# Altium PCB Terra.PcbDoc (part 4 of 7)
Units mm, origin at the board's own origin, x right, y up, seen from the top; angles counter-clockwise.
Board outline 126 x 65 mm, 6 copper layers (Top Layer, Int1 (Sign), Int2 (GND), Int3(PWR), Int4(Sign), Bottom Layer), stack 2.348 mm thick; 559 components, 490 nets, 2466 pads, 1027 vias.
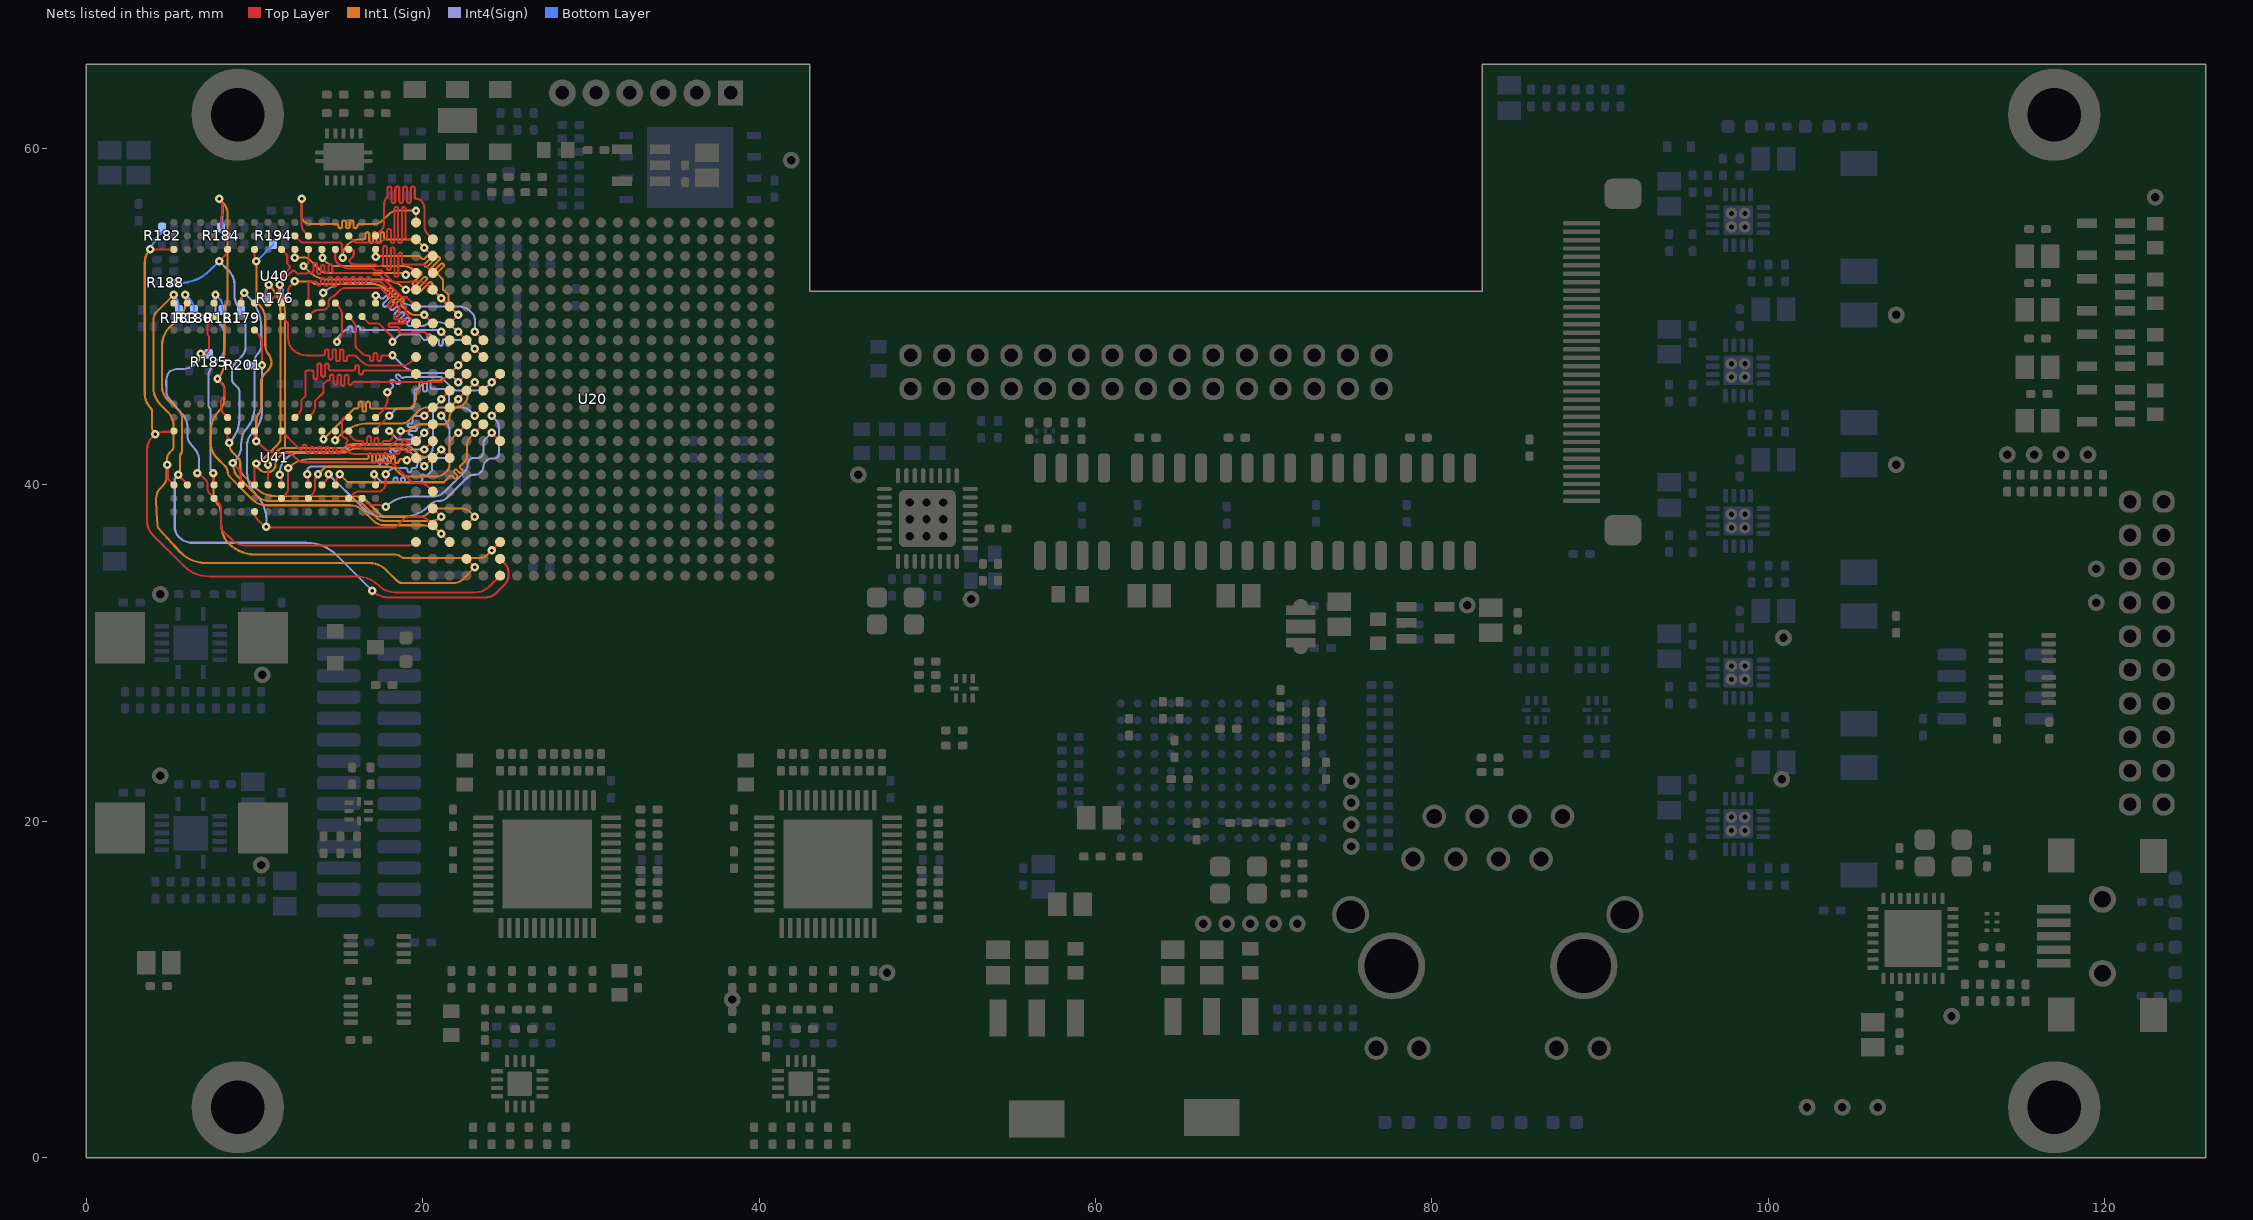
[diagram p8: the nets of this part, all layers, seen from the top]

## Via types
v1: diameter 0.5/0.5/0.5/0.5/0.5/0.5 (per signal layer), hole 0.2, Top Layer to Bottom Layer, tented both sides, 471 vias
v2: diameter 0.8, hole 0.4, Top Layer to Bottom Layer, tented both sides, 402 vias
v3: diameter 0.5/0.5/0.5/0.3/0.5/0.5 (per signal layer), hole 0.2, Top Layer to Bottom Layer, tented both sides, 87 vias
v4: diameter 0.9, hole 0.4, Top Layer to Bottom Layer, 32 vias
v5: diameter 0.6, hole 0.3, Top Layer to Bottom Layer, tented both sides, 26 vias
v6: diameter 0.6/0.6/0.6/0.6/0.6/0.6 (per signal layer), hole 0.3, Top Layer to Bottom Layer, tented both sides, 3 vias
v7: diameter 0.5/0.3/0.5/0.5/0.5/0.5 (per signal layer), hole 0.2, Top Layer to Bottom Layer, tented both sides, 3 vias
v8: diameter 0.8/0.8/0.8/0.5/0.8/0.8 (per signal layer), hole 0.4, Top Layer to Bottom Layer, tented both sides, 2 vias
v9: diameter 0.8/0.8/0.8/0.8/0.8/0.8 (per signal layer), hole 0.4, Top Layer to Bottom Layer, tented both sides, 1 vias

## Nets (pads, with @x,y where several pads share a name; then routed paths per layer and width w, separated by ;. In a path a pad name is that pad's centre, name@x,y a point inside that pad or via, vN(x,y) a via of type N, cw(c..) or ccw(c..) an arc to the next point about the centre after c; other vN are vias at no path point) (continued)
DDR3_A10: R179.1 U20.V2 U40.L7 U41.L7 | length 28.8
  Top Layer w0.125: v1(8.7,41.3) 8.95,41.05 cw(c8.399,40.5) 9.173,40.582 cw(c8.399,40.5) 9.178,40.5 9.178,40.023 U41.L7@9.2,40 ; U40.L7@9.2,50.8 9.2,50.885 cw(c9.87,50.885) 9.396,51.358 v1(9.396,51.409) ; U20.V2@20.6,38.6 v3(21.1,38.1)
  Int1 (Sign) w0.125: v1(8.7,41.3) 8.7,41.274 ccw(c9.474,41.274) 8.772,40.948 ccw(c9.474,41.274) 8.8,40.893 ccw(c9.283,40.9) 8.941,40.559 10.145,39.355 ccw(c10.9,40.111) 10.556,39.099 ccw(c10.9,40.111) 10.9,39.043 15.915,39.043 cw(c15.915,38.215) 16.5,38.8 17.265,38.035 ccw(c17.7,38.471) 17.7,37.855 20.509,37.855 ccw(c20.509,38.691) v3(21.1,38.1)
  Int4(Sign) w0.125: v1(8.7,41.3) 8.846,41.446 ccw(c7.993,42.3) 9.2,42.3 9.2,42.4 cw(c10.89,42.4) 9.403,43.203 ; v1(9.396,51.409) 9.656,51.149 cw(c7.86,49.353) 10.4,49.353 10.4,48.283 cw(c9.717,48.283) 10.2,47.8 ccw(c10.683,47.317) 10,47.317 10,44.649 cw(c7.951,44.649) 9.933,44.129 cw(c7.951,44.649) 9.403,43.203 ; 9.4,43.2 ccw(c7.951,44.649) 9.403,43.203
  Bottom Layer w0.125: R179.1@9.2,50.4 9.2,50.935 cw(c9.87,50.935) 9.234,51.145 cw(c9.87,50.935) v1(9.396,51.409)
DDR3_A11: R180.1 U20.AA6 U40.R7 U41.R7 | length 41
  Top Layer w0.125: v1(5.465,40.59) 5.465,40.585 6,40.05 U41.R7@6,40
  Top Layer w0.13: v1(5.883,51.3) 5.93,51.146 5.93,50.83 U40.R7@5.989,50.771 ; v1(17,33.7) ccw(c17.965,34.665) 17.105,33.605 ccw(c17.965,34.665) 17.965,33.3 23.7,33.3 ccw(c23.7,34.266) 24.383,33.583 24.879,34.079 ccw(c24.359,34.6) 25.095,34.6 25.095,34.8 ccw(c24.359,34.8) 24.879,35.321 U20.AA6@24.6,35.6
  Int1 (Sign) w0.13: 4.799,45.101 cw(c5.523,45.823) 4.5,45.823 4.5,46.1 4.502,48.3 cw(c5.999,48.3) 4.502,48.303 cw(c5.999,48.3) 4.94,49.358 5.541,49.959 ccw(c4.675,50.825) 5.9,50.825 5.9,51.236 v1(5.883,51.3) ; 4.8,45.1 5.5,44.4 ; v1(5.465,40.59) 5.575,40.7 5.575,41.754 ; 5.5,44.4 cw(c5.046,43.946) 5.688,43.946 5.688,42.028 cw(c5.428,42.028) 5.613,41.845 ccw(c5.703,41.754) 5.575,41.755
  Int4(Sign) w0.13: v1(5.465,40.59) 5.255,40.38 5.255,37.492 ccw(c6.092,37.492) 5.259,37.412 ccw(c6.092,37.492) 5.5,36.9 ccw(c6.333,37.733) 6.09,36.58 ccw(c6.333,37.733) 6.333,36.555 13.093,36.555 cw(c13.093,34.015) 14.889,35.811 v1(17,33.7) ; v1(17,33.7) 17,33.5 v1(17,33.7)
  Bottom Layer w0.125: v1(5.883,51.3) 6.165,51.018 cw(c5.596,50.45) 6.4,50.45 R180.1@6.4,50.4
DDR3_A12: R181.1 U20.Y6 U40.N7 U41.N7 | length 34.3
  Top Layer w0.125: v3(24.1,36.1) U20.Y6@24.6,36.6
  Top Layer w0.13: v1(7.555,40.7) 7.578,40.677 7.578,40.023 U41.N7@7.6,40 ; U40.N7@7.6,50.8 7.639,50.839 7.639,51.261 v1(7.678,51.3)
  Int1 (Sign) w0.13: v1(7.555,40.7) 7.555,39.512 ccw(c8.562,39.512) 7.585,39.267 ccw(c8.562,39.512) 7.73,38.945 ccw(c8.562,39.512) 7.842,38.808 ; 7.85,38.8 cw(c8.562,39.512) 7.842,38.808 ; v3(24.1,36.1) 23.835,35.835 cw(c23.4,36.271) 23.4,35.655 18.938,35.655 cw(c18.938,36.136) 18.766,35.687 cw(c18.938,36.136) 18.598,35.796 ccw(c18.305,35.16) 18.305,35.86 10.142,35.86 cw(c10.142,38.4) 10.024,35.863 cw(c10.024,38.065) 8.648,36.346 cw(c10.024,38.065) 8.468,36.507 8.349,36.626 cw(c9.932,37.725) 8.005,37.725 8.005,38.274 ccw(c7.049,38.274) 7.842,38.808
  Int4(Sign) w0.13: 7.385,40.915 7.385,44.42 ccw(c7.095,44.42) 7.3,44.625 cw(c7.409,44.734) 7.255,44.734 7.255,46.4 cw(c8.353,46.4) 7.577,47.177 8,47.6 ccw(c7.517,48.083) 8.2,48.083 8.2,49.017 ccw(c7.517,49.017) 8,49.5 cw(c8.778,50.278) 7.678,50.278 v1(7.678,51.3)
  Bottom Layer w0.13: v1(7.678,51.3) 7.904,51.074 cw(c7.43,50.6) 8.1,50.6 R181.1@8.1,50.4
DDR3_A13: R182.1 U20.AB6 U40.T3 U41.T3 | length 43.7
  Top Layer w0.12: 5.785,35.183 ccw(c7.308,36.708) 7.308,34.553 16.066,34.553 cw(c16.066,32.666) 17.4,34 ccw(c18.342,34.942) 18.342,33.61 23.1,33.61 ccw(c23.1,34.841) 23.971,33.971 U20.AB6@24.6,34.6
  Top Layer w0.13: v1(3.792,54) U40.T3@5.2,54 ; 3.983,36.985 cw(c4.898,37.898) 3.605,37.898 3.605,42.1 cw(c4.583,42.1) 3.891,42.791 v1@4,42.9 ; 3.984,36.984 5.784,35.184 ; v1(4.1,43) v1@4,42.9 ; U41.T3@5.2,43.2 5.155,43.155 4.616,43.155 ccw(c4.616,42.284) v1@4,42.9
  Int1 (Sign) w0.13: v1(3.792,54) ccw(c4.559,53.233) 3.475,53.233 3.475,45.385 ccw(c4.585,45.385) 3.8,44.6 cw(c3.559,44.359) 3.9,44.359 3.9,43.483 ccw(c4.583,43.483) v1(4.1,43)
  Bottom Layer w0.13: v1(3.792,54) 3.792,54.163 4.065,54.436 4.065,54.6 4.465,55 4.5,55
DDR3_A14: R183.1 U20.AA4 U40.T7 U41.T7 | length 39
  Top Layer w0.125: v1(4.8,41.2) 4.842,41.157 4.842,40.358 U41.T7@5.2,40 ; U20.AA4@22.6,35.6 v3(23.1,35.1)
  Top Layer w0.13: U40.T7@5.2,50.8 v1(5.2,51.3)
  Int1 (Sign) w0.125: 5.166,43.712 cw(c5.045,43.681) 5.17,43.681 5.171,43.609 cw(c4.211,43.6) 5.171,43.6 5.171,42.239 cw(c4.918,42.239) 5.097,42.061 4.967,41.932 ccw(c5.373,41.527) 4.8,41.527 v1(4.8,41.2) 4.762,41.162 4.762,40.445 cw(c4.08,40.445) 4.562,39.962 4.4,39.8 ccw(c4.998,39.202) 4.153,39.202 4.153,39.1 ccw(c4.595,39.1) 4.153,39.093 4.164,38.391 ccw(c4.607,38.399) 4.165,38.364 4.224,37.624 ccw(c4.665,37.66) 4.338,37.362 5.597,35.978 ccw(c5.689,36.062) 5.601,35.974 ; 5.166,43.713 5.165,43.716 cw(c5.286,43.749) 5.164,43.721 5.163,43.724 cw(c5.285,43.751) 5.161,43.734 ccw(c4.211,43.6) 4.891,44.277 ccw(c4.211,43.6) 4.889,44.279 4.835,44.334 4.392,44.776 cw(c4.48,44.865) 4.38,44.79 ccw(c4.279,44.716) 4.372,44.799 cw(c5.523,45.823) 4.263,44.937 cw(c5.523,45.823) 3.984,45.771 ccw(c3.859,45.767) 3.983,45.778 cw(c4.24,45.8) 3.983,45.798 3.983,45.801 3.983,49.8 cw(c4.665,49.8) 4.182,50.282 v1(5.2,51.3) ; 5.601,35.973 ccw(c7.1,37.473) 7.1,35.353 16.816,35.353 cw(c16.816,33.917) 17.814,34.949 cw(c16.816,33.917) 17.831,34.932 18.49,34.285 ccw(c18.8,34.6) 18.8,34.157 21.815,34.158 ccw(c21.815,34.985) 22.399,34.399 ; 22.4,34.4 v3(23.1,35.1)
  Bottom Layer w0.125: v1(5.2,51.3) cw(c4.476,50.576) 5.307,51.175 cw(c4.476,50.576) 5.5,50.576 R183.1@5.5,50.4
DDR3_BA0: R184.1 U20.Y3 U40.M2 U41.M2 | length 38.9
  Top Layer w0.12: 7.972,46.108 cw(c7.45,45.585) 8.175,45.724 8.175,45.279 ccw(c8.685,44.771) 8,44.993 8,44.974 8,44.7 ccw(c8.724,44.7) 8.212,44.188 U41.M2@8.4,44 ; 8.08,56.6 8.08,56.093 cw(c7.807,56.093) 8.076,56.044 cw(c7.807,56.093) 8,55.9 8,55.387 ccw(c8.393,55.387) 8.115,55.109 ccw(c8.619,55.413) 8.203,54.997 U40.M2@8.4,54.8
  Top Layer w0.125: v3(21.1,37.1) U20.Y3@21.6,36.6
  Top Layer w0.13: v1(7.9,57) 7.924,56.976 cw(c7.549,56.6) 8.08,56.6
  Int1 (Sign) w0.125: 8.4,40.822 ccw(c8.943,40.825) 8.559,40.441 9.871,39.129 ccw(c10.7,39.957) 10.461,38.81 ccw(c10.7,39.957) 10.7,38.785 15.684,38.785 cw(c15.684,37.684) 16.462,38.463 17.063,37.863 ccw(c17.698,38.498) 17.698,37.6 20,37.6 cw(c20,36.151) v3@21.024,37.176 ; v3@21.024,37.176 v3(21.1,37.1)
  Int1 (Sign) w0.13: v1(7.9,57) 8.1,56.8 cw(c7.376,56.076) 8.4,56.076 8.4,50.941 cw(c8.059,50.941) 8.3,50.7 ccw(c8.541,50.459) 8.2,50.459 8.2,47.266 cw(c6.834,47.266) v1(7.8,46.3) 8.059,46.041 cw(c7.717,45.7) 8.2,45.7 8.2,45.124 cw(c7.176,45.124) 7.9,44.4 ccw(c9.094,43.206) 7.406,43.206 7.406,43.2 7.385,42.684 7.385,42.514 ccw(c8.686,42.514) 7.408,42.273 ccw(c8.686,42.514) 7.766,41.594 8.26,41.1 cw(c7.911,40.751) 8.4,40.822
  Bottom Layer w0.13: v1(7.9,57) cw(c7.417,56.517) 8.039,56.8 cw(c7.417,56.517) 8.1,56.517 8.1,55.1 8,55
DDR3_BA1: R185.1 U20.Y1 U40.N8 U41.N8 | length 28.2
  Top Layer w0.12: v1(6.6,40.7) cw(c6.6,40.482) 6.754,40.636 6.995,40.396 cw(c6.499,39.9) 7.041,40.345 ccw(c7.134,40.421) 7.061,40.326 cw(c6.842,40.042) 7.095,40.296 cw(c6.842,40.042) 7.096,40.295 cw(c6.842,40.042) 7.2,40.043 cw(c6.842,40.042) 7.2,40.042 7.2,39.958 cw(c6.842,39.958) 7.2,39.957 cw(c6.842,39.958) 7.2,39.939 ccw(c7.319,39.933) 7.199,39.928 cw(c6.499,39.9) 7.2,39.9 7.2,39.8 ccw(c7.683,39.8) 7.341,39.459 U41.N8@7.6,39.2 7.859,38.941 cw(c7.517,38.6) 8,38.6 8,37.4 8.717,36.683 ccw(c9.4,37.366) 9.4,36.4 19.117,36.4 ccw(c19.117,37.083) U20.Y1@19.6,36.6 ; v1(6.8,47.8) 6.959,47.8 ccw(c6.959,48.141) 7.2,47.9 ccw(c6.959,48.141) 7.3,48.141 7.3,48.732 ccw(c7.047,48.732) 7.286,48.815 ccw(c7.047,48.732) 7.226,48.911 cw(c7.541,49.041) 7.2,49.041 7.2,49.4 cw(c7.683,49.4) 7.341,49.741 U40.N8@7.6,50
  Int4(Sign) w0.12: v1(6.6,40.7) 6.71,40.81 6.71,41.4 ccw(c5.527,41.4) 6.66,41.74 ccw(c5.527,41.4) 6.364,42.236 6.287,42.313 cw(c6.974,43) 6.003,43 6.003,43.5 ccw(c5.019,43.5) 5.836,44.047 ccw(c5.019,43.5) 5.715,44.195 5.705,44.204 4.862,45.219 cw(c5.2,45.5) 4.76,45.494 4.75,46.195 4.75,46.196 cw(c5.604,46.196) 4.784,46.434 cw(c5.604,46.196) 4.941,46.735 cw(c5.034,46.659) 4.995,46.773 5.343,46.893 cw(c5.383,46.78) 5.383,46.9 5.8,46.9 ccw(c5.8,47.866) 6.483,47.183 6.588,47.288 ccw(c6.076,47.8) v1(6.8,47.8)
  Bottom Layer w0.12: v1(6.8,47.8) R185.1@7.275,47.8
DDR3_BA2: R188.1 U20.W4 U40.M3 U41.M3 | length 34.5
  Top Layer w0.125: U20.W4@22.6,37.6 v3(23.1,38.1)
  Top Layer w0.13: v1@8,53.3 v1(7.9,53.3) 8.258,53.658 ccw(c7.917,54) 8.264,53.664 ccw(c7.917,54) U40.M3@8.4,54 ; v1@8.4,42.5 U41.M3@8.4,43.2
  Int1 (Sign) w0.13: v1(8.5,42.5) 8.5,42.433 ccw(c9.233,42.433) 8.714,41.915 9.075,41.554 cw(c9.02,41.499) 9.098,41.499 cw(c8.7,41.3) 9.145,41.3 9.145,40.974 ccw(c9.674,40.974) 9.153,40.88 ccw(c9.674,40.974) 9.3,40.6 10.112,39.788 ccw(c11.2,40.876) 10.523,39.494 ccw(c11.2,40.876) 11.177,39.337 ccw(c11.2,40.876) 11.2,39.337 16.116,39.3 ; 16.117,39.3 cw(c16.117,38.617) 16.6,39.1 17.4,38.3 ccw(c17.853,38.753) 17.853,38.113 19.847,38.113 ccw(c19.847,38.753) 20.3,38.3 ; 20.3,38.301 cw(c20.989,37.611) 20.989,38.585 22.352,38.585 cw(c22.352,37.952) 22.8,38.4 v3(23.1,38.1)
  Int4(Sign) w0.13: v1(7.9,53.3) 8.455,52.745 cw(c7.61,51.9) 8.805,51.9 8.805,51.269 ccw(c9.95,51.269) 8.905,50.802 ccw(c9.95,51.269) 9.14,50.46 cw(c8.381,49.7) 9.455,49.7 9.455,48.155 cw(c8.731,48.155) 9.243,47.643 8.906,47.306 ccw(c9.512,46.7) 8.655,46.7 8.655,46.275 8.657,46.267 cw(c8.53,46.24) 8.659,46.257 ccw(c9.1,46.314) 8.784,46 ccw(c9.1,46.314) 8.786,45.998 ccw(c9.1,46.314) 8.831,45.959 cw(c8.753,45.855) 8.867,45.917 9.005,45.78 ; v1(8.5,42.5) ccw(c7.052,43.948) 9.1,43.948 9.1,45.55 ccw(c8.775,45.55) 9.005,45.779
  Bottom Layer w0.13: R188.1@5.2,52 5.548,52 ccw(c5.548,54.54) 7.344,52.744 v1(7.9,53.3)
DDR3_CAS: R194.1 U20.U2 U40.K3 U41.K3 | length 25.6
  Top Layer w0.13: v1@10,42.7 10,43 9.9,43.1 U41.K3@10,43.2 ; v1@10,53.2 U40.K3@10,54 ; v1(10.1,42.6) 10.141,42.6 10.52,42.22 ccw(c11.282,42.982) 11.282,41.905 11.79,41.905 cw(c11.79,41.09) 12.366,41.667 ; 12.366,41.666 12.475,41.558 ccw(c13,42.083) 13,41.34 15.425,41.34 15.437,41.327 17.9,41.327 cw(c17.9,40.677) 18.36,41.137 ; 18.36,41.137 19.199,40.299 cw(c19.13,40.188) 19.228,40.274 ccw(c19.6,40.6) 19.598,40.105 19.805,40.105 cw(c19.805,39.405) 20.3,39.9 U20.U2@20.6,39.6
  Int1 (Sign) w0.13: v1(10.1,42.6) 10.1,43.788 cw(c10.854,43.788) 10.22,44.196 ; v1(10.1,53.3) 10.11,53.29 10.11,51.017 ccw(c10.417,51.017) 10.2,50.8 10.244,50.756 cw(c9.288,49.8) 10.64,49.8 10.64,48.284 ccw(c11.478,48.284) 10.734,47.898 ccw(c11.478,48.284) 10.779,47.821 ccw(c11.478,48.284) 10.886,47.691 cw(c10.276,47.3) 10.957,47.545 cw(c10.276,47.3) 11,47.3 cw(c10.276,47.3) 10.788,46.788 10.6,46.6 ccw(c11.095,46.105) 10.395,46.105 10.395,44.646 cw(c9.729,44.646) 10.293,44.291 cw(c9.729,44.646) 10.22,44.196 ; 10.2,44.175 ccw(c9.729,44.646) 10.22,44.196
  Bottom Layer w0.13: v1(10.1,53.3) 10.125,53.3 11.1,54.275 R194.1@11.1,54.3
DDR3_CKE0: R201.1 U20.W2 U40.K9 U41.K9 | length 24.6
  Top Layer w0.125: U41.K9@10,38.4 ccw(c10.724,38.4) 10.212,37.888 10.6,37.5 v1(10.7,37.5) 10.742,37.457 18.357,37.457 18.8,37.9 cw(c19.265,37.435) 19.265,38.092 19.835,38.092 cw(c19.835,37.435) 20.3,37.9 U20.W2@20.6,37.6 ; U40.K9@10,49.2 10.123,49.077 cw(c9.347,48.3) 10.445,48.3 v1(10.445,47.1)
  Int4(Sign) w0.125: v1(10.445,47.1) 10.445,44.428 cw(c8.572,44.428) 9.896,43.103 cw(c8.628,44.193) 9.81,43.01 ccw(c10.421,42.4) 9.557,42.4 9.557,40.71 ccw(c11.41,40.71) 10.1,39.4 cw(c8.652,37.952) 10.634,38.466 cw(c8.652,37.952) 10.7,37.952 v1(10.7,37.5)
  Bottom Layer w0.125: R201.1@9.8,47.1 v1(10.445,47.1)
DDR3_CLK0_N: R176.2 U20.R2 U40.K7 U41.K7 | length 26.9
  Top Layer w0.125: v1(20.1,41.1) U20.R2@20.6,41.6
  Top Layer w0.13: U41.K7@10,40 v1@10,41.094 ; U40.K7@10,50.8 10.633,51.433 ccw(c10.206,51.86) 10.81,51.86 v1(10.85,51.9)
  Int1 (Sign) w0.13: v1(10.105,41.27) ccw(c10.527,41.27) 10.229,40.971 10.265,40.935 ccw(c10.7,41.37) 10.558,40.772 ccw(c10.7,41.37) 10.7,40.755 10.8,40.755 ccw(c10.8,41.2) 11.114,40.885 ccw(c10.8,41.2) 11.116,40.886 ccw(c10.8,41.2) 11.243,41.24 cw(c11.734,41.24) 11.244,41.271 cw(c11.734,41.24) 11.387,41.587 11.675,41.875 cw(c11.838,41.712) 11.838,41.942 15.401,41.942 ccw(c15.401,42.27) 15.498,41.957 ccw(c15.401,42.27) 15.563,41.985 ccw(c15.401,42.27) 15.633,42.038 cw(c16.026,41.449) 15.746,42.1 cw(c16.026,41.449) 16.026,42.158 18.725,42.158 cw(c18.725,41.391) 19.093,42.063 cw(c18.725,41.391) 19.267,41.933 19.649,41.551 ; v1@10.2,41.229 11.363,42.392 ccw(c10.73,43.025) 11.531,42.626 ccw(c11.415,42.684) 11.545,42.684 ccw(c11.415,42.684) 11.545,42.685 11.545,50.222 ccw(c9.172,50.222) v1(10.85,51.9) ; 19.65,41.55 20.037,41.162 v1(20.1,41.1)
  Bottom Layer w0.13: R176.2@10.7,51.1 10.7,51.65 10.85,51.8 v1(10.85,51.9)
DDR3_CLK0_P: R176.1 U20.R3 U40.J7 U41.J7 | length 25.2
  Top Layer w0.125: U40.J7@10.8,50.8 11.217,51.217 ccw(c10.534,51.9) 11.49,51.765 11.5,51.774 v1(11.5,51.9) ; v1(21.1,42.1) U20.R3@21.6,41.6
  Top Layer w0.13: U41.J7@10.8,40 v1(10.8,41.2)
  Int1 (Sign) w0.125: v1(10.8,41.2) 10.8,41.394 cw(c11.056,41.394) 10.804,41.436 cw(c10.927,41.415) 10.838,41.504 11.346,42.011 cw(c11.802,41.554) 11.563,42.154 cw(c11.802,41.554) 11.802,42.2 ; v1(11.5,51.9) 11.5,51.573 ccw(c12.098,51.573) 11.524,51.404 ccw(c11.644,51.439) 11.532,51.384 cw(c9.172,50.222) 11.587,51.265 ; 11.587,51.264 cw(c9.172,50.222) 11.802,50.222 11.802,42.2 ; v1(21.1,42.1) 20.84,41.84 cw(c20.4,42.279) 20.635,41.704 cw(c20.4,42.279) 20.4,41.657 20.125,41.657 cw(c20.125,42.34) 20.114,41.658 ccw(c20.111,41.533) 20.109,41.658 cw(c20.1,42.1) 20.1,41.657 cw(c20.1,42.1) 20,41.669 ccw(c19.972,41.547) 19.995,41.67 cw(c20.125,42.34) 19.872,41.706 cw(c19.919,41.822) 19.865,41.709 cw(c19.919,41.822) 19.831,41.734 19.449,42.115 ccw(c18.725,41.391) 18.725,42.415 15.823,42.415 ccw(c15.823,41.852) 15.425,42.25 cw(c15.304,42.371) 15.304,42.2 11.802,42.2
  Bottom Layer w0.125: v1(11.5,51.9) 11.5,51.798 11.7,51.598 R176.1@11.7,51.1
DDR3_D0: U20.F3 U40.E3 | length 13.2
  Top Layer w0.125: U40.E3@14,54 14.021,53.979 14.021,53.521 v1(14.043,53.5)
  Top Layer w0.2: v1(21.1,51.1) U20.F3@21.6,50.6
  Int1 (Sign) w0.125: v1(14.043,53.5) 14.043,53.458 14.2,53.3 ccw(c14.924,54.024) 14.924,53 15,53 18.7,53 18.917,53 cw(c18.917,52.317) 19.4,52.8 ; 19.3,52.9 19.326,52.874 19.37,52.83 19.556,52.644 ccw(c19.645,52.732) 19.733,52.644 19.74,52.65 cw(c19.819,52.571) 19.899,52.65 cw(c19.819,52.571) 19.899,52.491 19.436,52.029 ccw(c19.516,51.949) 19.436,51.87 ccw(c19.516,51.949) 19.595,51.87 20.058,52.332 cw(c20.137,52.253) 20.217,52.332 cw(c20.137,52.253) 20.217,52.173 19.755,51.711 ccw(c19.834,51.631) 19.755,51.552 ccw(c19.834,51.631) 19.914,51.552 20.376,52.014 cw(c20.456,51.935) 20.535,52.014 cw(c20.456,51.935) 20.535,51.855 20.333,51.652 ccw(c20.412,51.573) 20.333,51.493 ccw(c20.412,51.573) 20.492,51.493 20.511,51.512 cw(c20.599,51.424) 20.688,51.512 21.006,51.194 21.05,51.15 v1(21.1,51.1)
DDR3_D1: U20.G1 U40.F7 | length 13.6
  Top Layer w0.125: U40.F7@13.2,50.8 13.2,52.027 13.273,52.1 13.302,52.1 13.59,52.1 cw(c13.59,51.975) 13.715,51.975 13.715,51.966 ccw(c13.827,51.966) 13.827,51.854 ccw(c13.827,51.966) 13.94,51.966 13.94,52.183 cw(c14.052,52.183) 14.052,52.296 cw(c14.052,52.183) 14.165,52.183 14.165,51.966 ccw(c14.277,51.966) 14.277,51.854 ccw(c14.277,51.966) 14.39,51.966 14.39,52.245 cw(c14.502,52.245) 14.502,52.357 cw(c14.502,52.245) 14.615,52.245 14.615,51.889 ccw(c14.727,51.889) 14.727,51.776 ccw(c14.727,51.889) 14.84,51.889 14.84,52.232 cw(c14.952,52.232) 14.952,52.345 cw(c14.952,52.232) 15.065,52.232 15.065,52.067 ccw(c15.177,52.067) 15.177,51.955 ccw(c15.177,52.067) 15.29,52.067 15.29,52.232 cw(c15.402,52.232) 15.402,52.345 cw(c15.402,52.232) 15.515,52.232 15.515,52.068 ccw(c15.627,52.068) 15.627,51.955 ccw(c15.627,52.068) 15.74,52.068 15.74,52.232 cw(c15.852,52.232) 15.852,52.345 cw(c15.852,52.232) 15.965,52.232 15.965,52.068 ccw(c16.077,52.068) 16.077,51.955 ccw(c16.077,52.068) 16.19,52.068 16.19,52.232 cw(c16.302,52.232) 16.302,52.345 cw(c16.302,52.232) 16.415,52.232 16.415,52.068 ccw(c16.527,52.068) 16.527,51.955 ccw(c16.527,52.068) 16.64,52.068 16.64,52.229 cw(c16.752,52.229) 16.752,52.342 cw(c16.752,52.229) 16.865,52.229 16.865,52.225 ccw(c16.99,52.225) 16.99,52.1 17.41,52.1 17.461,52.1 18.992,50.569 18.992,50.208 U20.G1@19.6,49.6
DDR3_D2: U20.A1 U40.F2 | length 13.1
  Top Layer w0.12: v1(12.8,57) 12.8,55.79 12.8,55.5 ccw(c13.524,55.5) 13.007,54.993 ccw(c13.524,55.5) 13.012,54.988 U40.F2@13.2,54.8
  Top Layer w0.125: U20.A1@19.6,55.6 v1(19.6,56.3)
  Int1 (Sign) w0.125: v1(12.8,57) 12.798,56.998 12.798,55.947 ccw(c13.147,55.947) 12.9,55.7 ccw(c13.383,56.183) 13.383,55.5 14.503,55.5 14.858,55.5 cw(c14.858,55.375) 14.983,55.375 14.983,55.37 ccw(c15.096,55.37) 15.096,55.258 ccw(c15.096,55.37) 15.208,55.37 15.208,55.611 cw(c15.321,55.611) 15.321,55.724 cw(c15.321,55.611) 15.433,55.611 15.433,55.37 ccw(c15.546,55.37) 15.546,55.258 ccw(c15.546,55.37) 15.658,55.37 15.658,55.611 cw(c15.771,55.611) 15.771,55.724 cw(c15.771,55.611) 15.883,55.611 15.883,55.37 ccw(c15.996,55.37) 15.996,55.258 ccw(c15.996,55.37) 16.108,55.37 16.108,55.375 cw(c16.233,55.375) 16.233,55.5 16.296,55.5 17,55.5 ccw(c17,56.466) 17.682,55.782 ; 17.683,55.783 18,56.1 ; 18,56.1 cw(c18.483,55.617) 18.483,56.3 v1(19.6,56.3)
DDR3_D3: U20.H2 U40.F8 | length 13.6
  Top Layer w0.12: 13.8,50.4 13.954,50.4 ccw(c13.958,50.758) 13.958,50.4 14.042,50.4 ccw(c14.042,50.758) 14.295,50.504 ; 14.295,50.505 14.4,50.61 14.4,50.698 14.4,50.9
  Top Layer w0.125: U40.F8@13.2,50 13.459,50.259 cw(c13.8,49.917) 13.8,50.4 ; 14.4,50.9 ccw(c14.284,50.946) 14.406,50.919 cw(c14.758,50.842) 14.484,51.076 ccw(c14.389,51.158) 14.5,51.1 ccw(c14.442,51.211) 14.524,51.116 cw(c14.758,50.842) 14.667,51.191 ccw(c14.635,51.312) 14.723,51.223 14.9,51.4 15.059,51.559 cw(c15.4,51.217) 15.4,51.7 17.5,51.7 17.6,51.6 17.644,51.556 18.122,51.078 cw(c18.033,50.99) 18.122,50.902 17.952,50.733 ccw(c18.032,50.653) 17.952,50.573 ccw(c18.032,50.653) 18.111,50.573 18.281,50.743 cw(c18.369,50.654) 18.457,50.743 18.6,50.6 18.6,50.5 18.6,50.4 18.6,50.182 cw(c18.475,50.182) 18.475,50.057 18.402,50.057 ccw(c18.402,49.945) 18.29,49.945 ccw(c18.402,49.945) 18.402,49.832 18.895,49.832 cw(c18.895,49.72) 19.007,49.72 cw(c18.895,49.72) 18.895,49.607 18.078,49.607 ccw(c18.078,49.495) 17.965,49.495 ccw(c18.078,49.495) 18.078,49.382 18.475,49.382 cw(c18.475,49.257) 18.6,49.257 18.6,49.2 18.6,49.195 18.6,49.071 18.673,48.998 19.301,48.998 19.396,49.092 20.108,49.092 U20.H2@20.6,48.6
DDR3_D4: U20.F1 U40.H3 | length 13.7
  Top Layer w0.125: U40.H3@11.6,54 11.884,53.716 cw(c11.743,53.575) 11.943,53.575 ; 11.943,53.657 11.943,53.158 12.067,53.033 cw(c11.979,52.945) 12.067,52.856 11.729,52.518 ccw(c11.808,52.438) 11.729,52.359 ccw(c11.808,52.438) 11.888,52.359 12.226,52.697 cw(c12.315,52.609) 12.403,52.697 12.543,52.557 13.057,52.557 13.083,52.557 13.126,52.6 13.307,52.6 13.369,52.6 ccw(c13.369,52.725) 13.494,52.725 13.494,53.085 cw(c13.607,53.085) 13.607,53.198 cw(c13.607,53.085) 13.719,53.085 13.719,52.651 ccw(c13.832,52.651) 13.832,52.539 ccw(c13.832,52.651) 13.944,52.651 13.944,52.945 cw(c14.057,52.945) 14.057,53.057 cw(c14.057,52.945) 14.169,52.945 14.169,52.713 ccw(c14.282,52.713) 14.282,52.6 ccw(c14.282,52.713) 14.394,52.713 14.394,52.982 cw(c14.507,52.982) 14.507,53.094 cw(c14.507,52.982) 14.619,52.982 14.619,52.725 ccw(c14.744,52.725) 14.744,52.6 15.3,52.6 16.967,52.6 17.077,52.49 17.431,52.49 18.769,51.152 19.048,51.152 U20.F1@19.6,50.6
DDR3_D5: U20.J1 U40.H8 | length 13.4
  Top Layer w0.12: U40.H8@11.6,50 11.929,49.671 cw(c11.759,49.5) 12,49.5 12,48.724 ccw(c13.024,48.724) 12.208,48.106 12.27,48.044 ccw(c13.1,48.874) 13.1,47.7 14.008,47.7 14.068,47.7 ccw(c14.068,47.82) 14.188,47.82 14.188,47.944 cw(c14.298,47.944) 14.408,47.944 14.408,47.566 ccw(c14.518,47.566) 14.628,47.566 14.628,47.944 cw(c14.738,47.944) 14.848,47.944 14.848,47.459 ccw(c14.958,47.459) 15.068,47.459 15.068,47.944 cw(c15.178,47.944) 15.288,47.944 15.288,47.459 ccw(c15.398,47.459) 15.508,47.459 15.508,47.58 cw(c15.628,47.58) 15.628,47.7 15.883,47.7 ; 15.8,47.7 cw(c15.8,47.217) 16.141,47.559 ; 16.141,47.559 16.4,47.3 ; 16.4,47.3 ccw(c16.883,47.783) 16.883,47.1 18.8,47.1 ccw(c18.8,47.824) 19.312,47.312 ; 19.312,47.312 U20.J1@19.6,47.6